# KiCad board MB1635_good_conversion.kicad_pcb (continued)
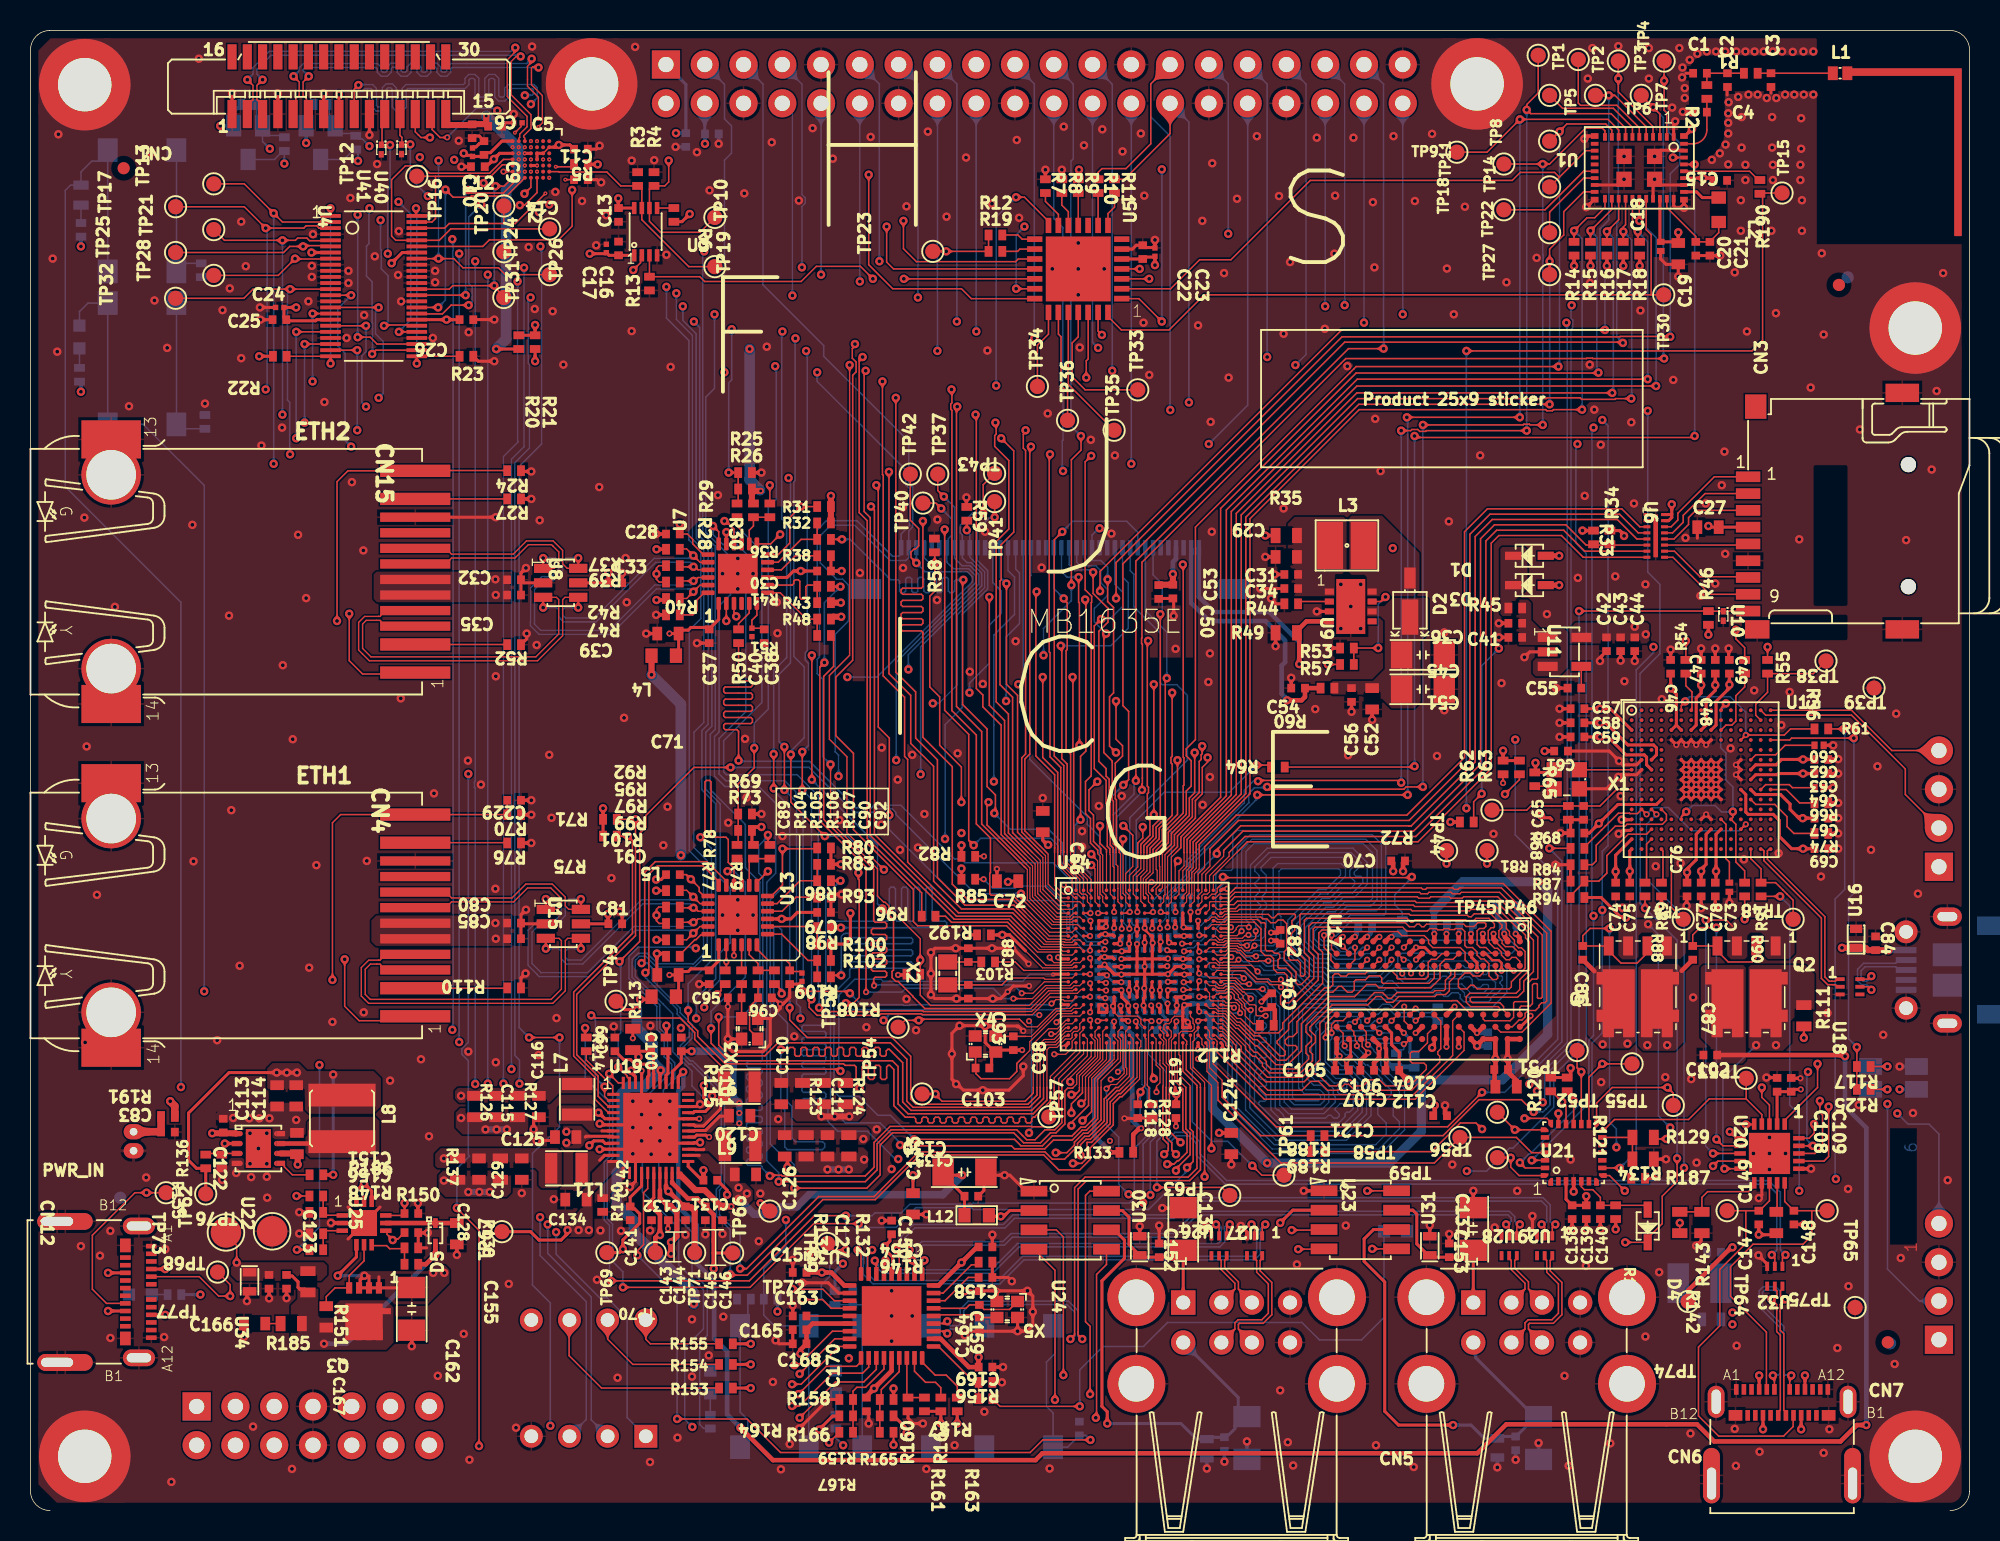
[diagram p0: board, top side]
## Routing (per net, layer and track width the routed paths; a pad name or vN(x,y) marks a point on that pad's centre or on a via; arc(x,y) is an arc through that point) (continued)
  Bottom Layer w0.1: v1(11.38,34.03) 11.38,67.19 7.37,71.19 B2.2 B2.1 3.76,79.14 3.2,78.58 LD4.2
PA14: length 153.4
  Top Layer w0.075: U14.W13 74,31.63 74,31.5 74.22,31.28 74.22,30.99 74.39,30.82 74.39,29.33 74.6,29.13 74.6,27.73
  Top Layer w0.1: v1(75.33,24.13) 74.6,24.86 74.6,27.27 74.6,27.73
  Signal Layer 2 w0.1: v1(9.85,27.75) 28.3,27.75 29.55,26.5 38.27,26.5 39.07,27.3 42.15,27.3 42.58,26.88 42.58,24.4 44.63,22.35 48.8,22.35 49.4,21.75 50.28,21.75 50.31,21.73 56.67,21.73 57.35,22.4 67.7,22.4 67.77,22.33 68.95,22.33 70.45,23.83 70.98,23.83 71.05,23.9 75.04,23.9 75.27,24.13 v1(75.33,24.13)
  Bottom Layer w0.1: 5.05,89.04 4.45,88.44 4.01,88.44 3.3,87.73 LD3.2 2.62,86.86 2.27,86.52 2.27,67.1 9.85,59.53 v1(9.85,27.75) ; 5.05,89.04 B1.2 ; 5.05,89.04 B1.1
PF8_WKUP: length 52.5
  Top Layer w0.075: 65.17,39.85 66.88,38.15 U14.F1
  Top Layer w0.1: 65.17,39.85 64.87,40.15 v1(64.87,40.43) ; v1(38.57,35.98) 39.9,37.3 39.9,44.38 40.3,44.78 40.3,45.55 43.45,48.7 v1(45.85,48.7) ; U19.43 39.23,28.34 39.21,28.35 39.15,28.35 39.08,28.42 39.08,28.49 v1(38.49,29.08)
  Bottom Layer w0.1: v1(45.85,48.7) 51,48.7 53.95,45.75 55.22,45.75 55.48,46 56.43,46 56.68,45.75 56.68,45.63 61.88,40.43 v1(64.88,40.43) ; v1(38.49,29.08) 38.49,31.14 38.65,31.3 38.65,35.9 v1(38.57,35.98)
PH4: length 12.4
  Top Layer w0.075: 78.05,27.73 78.05,28.2 77.23,29.03 77.23,30.75 76.99,30.99 76.99,31.14 U14.Y19
  Top Layer w0.1: 78.05,27.73 78.05,27.1 80.58,24.57 R188.2 R189.2
PMIC_WAKEUP: length 47.1
  Top Layer w0.09: U14.M3 v2(69.4,35.15) 69.43,35.15 ; U19.2 37.87,26.88 37.6,27.14 v1(37.6,27.78)
  Top Layer w0.1: v1(53.05,28.8) 52.92,28.93 45.45,28.93 43.5,30.88 43.5,31.33 42.55,32.28 37.01,32.28 36.83,32.45 v1(36.73,32.45)
  Bottom Layer w0.09: v2(69.4,35.15) 65.45,35.15 64.99,34.68 55.84,34.68 55.7,34.82 54,34.82 52.95,33.78 52.95,33.73
  Bottom Layer w0.1: v1(53.05,28.8) 52.96,28.89 52.96,29.07 52.95,29.08 52.95,33.73 ; v1(36.73,32.45) 37,32.18 37,28.38 v1(37.6,27.78)
PRTPWR1: length 40.6
  Top Layer w0.1: v1(49.9,14.53) 49.92,14.5 51.9,14.5 52.65,13.75 U33.12 ; v1(82.6,18.38) 84.67,18.38 84.72,18.43 U23.3
  Signal Layer 2 w0.1: v1(49.9,14.53) 49.97,14.45 52.4,14.45 53.45,15.5 66.18,15.5 68.88,18.2 76.78,18.2 76.8,18.18 82.33,18.18 82.53,18.38 v1(82.6,18.38)
PRTPWR2: length 42.4
  Top Layer w0.1: U33.16 52.52,11.75 50.3,9.53 v1(50.02,9.53) ; v1(83.03,17.13) 84.7,17.13 84.72,17.15 U23.4
  Signal Layer 2 w0.1: v1(83.03,17.13) 69.37,17.13 69.35,17.15 65.7,13.5 64.92,13.5 60.95,9.53 v1(50.02,9.53)
PRTPWR3: length 34
  Top Layer w0.1: U33.18 52.95,10.75 50.47,8.28 v1(49.87,8.28) ; v1(67.65,8.88) 67.65,17.93 67.19,18.39 U24.3
  Signal Layer 2 w0.1: v1(49.87,8.28) 50.42,8.28 51.02,8.88 v1(67.65,8.88)
PRTPWR4: length 34.5
  Top Layer w0.1: v1(49.87,6.85) 50.38,6.85 52.53,9 54.5,9 54.9,9.4 U33.20 ; v1(67.1,7.25) 67.1,15.75 U24.4
  Signal Layer 2 w0.1: v1(49.87,6.85) 50.37,6.85 50.77,7.25 v1(67.1,7.25)
PWR_LP: length 15
  Top Layer w0.09: 76.55,32.15 U14.V19
  Top Layer w0.1: v1(80.02,22.6) 80.65,21.98 TP61.1 82.48,21.98
  Bottom Layer w0.09: 76.1,27.73 76.1,30.7 76.48,31.08 v2(76.48,32.08)
  Bottom Layer w0.1: v1(80.02,22.6) 78.43,24.19 77.38,24.19 76.1,25.47 76.1,27.73
PWR_NJTRST: length 17.5
  Top Layer w0.1: v1(73.77,21.18) 78.02,21.18 TP63.1 78.55,20.3 ; U14.V11 73.4,32.15
  Bottom Layer w0.09: v2(73.43,32.08) 73.23,31.88 73.23,29.9 74.37,28.75 74.37,27.73
  Bottom Layer w0.1: v1(73.77,21.18) 73.77,24.2 74.37,24.8 74.37,27.73
PWR_ON: length 68.4
  Top Layer w0.075: U14.U17 75.97,32.38 76.14,32.21 76.14,31.94 76.22,31.86 76.22,31.55 76.08,31.4 75.38,31.4 75.22,31.25 75.22,29.88 75.28,29.82 75.28,28.52 75.95,27.85 75.95,27.73
  Top Layer w0.1: U19.44 38.5,28.03 v1(37.9,28.63) ; v1(38.8,14.63) 47.12,14.63 51.3,18.8 v1(54.25,18.8) ; v1(75.75,22.48) 76.15,22.88 76.15,24.82 75.95,25.02 75.95,27.73
  Bottom Layer w0.1: v1(75.75,22.48) 75.75,22.25 73.22,19.73 61.75,19.73 61.62,19.85 58,19.85 56.7,18.55 54.5,18.55 v1(54.25,18.8) ; 38.12,23.12 37.77,22.77 37.77,19.12 38.12,18.77 38.12,16.33 38.8,15.65 v1(38.8,14.63) ; 38.12,23.12 38.12,23.16 ; 38.12,23.12 38.12,23.4 ; 38.12,23.4 38.12,27.85 37.93,28.05 37.93,28.6 v1(37.9,28.63) ; 38.12,23.4 38.12,23.58
PWR_ON_DB: length 135.7
  Top Layer w0.2: v1(42.75,28.75) 42.42,28.43 U19.35
  Top Layer w0.3: v1(118.85,29.78) 118.78,29.78 118.71,29.85 C102.2 ; v1(120.24,5.6) 119.63,5.6 118.55,4.53 110.28,4.53 109.15,5.65 96.66,5.65 94.76,3.75 66.27,3.75 65.83,3.3 48.62,3.3 v1(46.5,5.43)
  Bottom Layer w0.3: v1(42.75,28.75) 42.75,27.8 42.42,27.48 42.42,19.93 43.62,18.73 43.62,16.2 44.77,15.05 44.77,11.28 45.63,10.43 45.63,6.3 v1(46.5,5.43) ; v1(118.85,29.78) 118.85,26.48 120.24,25.08 v1(120.24,5.6)
RD1_N: length 34
  Top Layer w0.09: U13.22 43.73,38.78 43.5,38.55 v1(43.42,38.55) 42.6,38.55 R97.1 ; CN4.8 27.19,40.53 27.58,40.15 31.53,40.15 32.45,41.06 34.17,41.06 35.02,40.2 35.02,39.63 35.25,39.4 U15.6 v1(36.05,40.08)
  Bottom Layer w0.09: v1(36.05,40.08) 35.28,40.08 35.02,39.83 35.02,39.22 35.03,39.21 35.03,38.99 34.44,38.4 33.34,38.4 32.86,37.93 32.85,37.93 32.85,35.84 33.43,35.26 33.43,35.25 36.49,35.25 39.44,38.21 39.46,38.21 39.53,38.28 43.23,38.28 43.42,38.48 v1(43.42,38.55)
RD1_P: length 34.1
  Top Layer w0.09: CN4.7 27.19,39.51 27.57,39.89 31.64,39.89 32.55,40.8 34.07,40.8 34.77,40.1 34.77,39.63 34.55,39.4 U15.1 v1(33.75,40.08) ; U13.23 43.85,38.28 v1(43.41,37.84) 42.98,37.4 R99.1
  Bottom Layer w0.09: v1(33.75,40.08) 34.52,40.08 34.77,39.84 34.77,39.11 34.77,39.1 34.33,38.66 33.23,38.66 32.76,38.19 32.74,38.19 32.59,38.03 32.59,35.73 33.17,35.16 33.17,35.14 33.32,34.99 36.59,34.99 39.55,37.95 39.57,37.95 39.64,38.02 43.23,38.02 v1(43.41,37.84)
RD2_N: length 33.5
  Top Layer w0.09: v1(35.88,62.43) U8.6 35.15,61.75 34.85,62.05 34.85,62.93 34.23,63.55 32.49,63.55 31.62,62.69 27.56,62.69 27.45,62.8 27.45,62.8 27.19,63.06 CN15.8 ; R40.1 42.6,60.93 v1(43.42,60.93) 43.5,60.93 43.72,61.15 U7.22
  Bottom Layer w0.09: v1(35.88,62.43) 35.07,62.43 34.86,62.21 34.86,61.58 34.39,61.11 34.39,61.09 34.23,60.94 33.61,60.94 33.6,60.95 33.01,60.36 33.01,58.11 33,58.1 33.41,57.69 37.89,57.69 37.9,57.68 40.88,60.66 43.23,60.66 43.42,60.85 v1(43.42,60.93)
RD2_P: length 33.6
  Top Layer w0.09: R42.1 42.97,59.78 v1(43.41,60.21) 43.85,60.65 U7.23 ; CN15.7 27.19,62.04 27.45,62.3 27.45,62.31 27.58,62.43 31.73,62.43 32.6,63.3 34.13,63.3 34.6,62.83 34.6,62.05 34.3,61.75 U8.1 v1(33.57,62.43)
  Bottom Layer w0.09: v1(43.41,60.21) 43.23,60.4 40.99,60.4 38.01,57.42 37.79,57.42 37.78,57.43 33.31,57.43 32.74,57.99 32.74,58.21 32.75,58.22 32.75,60.47 33.49,61.21 33.71,61.21 33.72,61.2 34.13,61.2 34.13,61.21 34.6,61.69 34.6,62.2 34.38,62.43 v1(33.57,62.43)
SDMMC1_CK: length 48.9
  Top Layer w0.075: U14.A19 76.97,41.7 78.15,42.88 78.15,43.13
  Top Layer w0.1: 78.15,43.13 78.15,43.26 79.41,44.53 90.59,44.53 94.98,48.91 94.98,63.69 95.89,64.6 100.56,64.6 101.89,63.28 U6.6
SDMMC1_CMD: length 51.8
  Top Layer w0.09: v1(77.7,43.05) 77.7,43.13
  Top Layer w0.1: 90.44,44.88 94.63,49.06 94.63,63.83 95.74,64.95 103.94,64.95 105.21,63.68 U6.5 ; 90.44,44.88 90.28,44.88 ; 90.44,44.88 90.27,44.88 ; v2(76.48,39.23) 76.88,39.63 76.95,39.63 U14.C19 76.97,39.64 ; 90.28,44.88 79.27,44.88 77.7,43.31 77.7,43.13
  Bottom Layer w0.09: v1(77.7,43.05) 76.48,41.83 v2(76.48,39.23)
SDMMC1_D0: length 49.8
  Top Layer w0.075: U14.C18 76.72,39.9 76.72,40.28 76.85,40.4 77.08,40.4 77.23,40.55 77.23,41.6 78.51,42.88 78.51,43.13
  Top Layer w0.1: 78.51,43.13 79.56,44.18 90.73,44.18 95.33,48.77 95.33,63.54 96.03,64.25 100.42,64.25 101.79,62.88 U6.7
SDMMC1_D1: length 47.8
  Top Layer w0.075: U14.A20 77.47,41.6 79,43.13
  Top Layer w0.1: U6.8 101.7,62.48 100.28,63.9 96.18,63.9 95.67,63.4 95.67,48.63 90.87,43.83 79.7,43.83 79,43.13
SDMMC1_D2: length 50.3
  Top Layer w0.075: 76.9,43.13 76.9,42.14 76.47,41.72 U14.A18
  Top Layer w0.1: U6.3 105.4,64.48 104.23,65.65 95.42,65.65 93.93,64.15 93.93,49.35 90.15,45.57 78.98,45.57 76.9,43.5 76.9,43.13
SDMMC1_D3: length 50.4
  Top Layer w0.075: U14.B18 76.47,40.3 76.72,40.55 76.72,41.7 77.25,42.23 77.25,43.13
  Top Layer w0.1: U6.4 105.31,64.08 104.08,65.3 95.6,65.3 94.28,63.98 94.28,49.2 90.3,45.22 79.12,45.22 77.25,43.35 77.25,43.13
SDMMC2_CK: length 65.9
  Top Layer w0.075: 76.35,43.13 76.35,42.09 76.06,41.8 76.06,40.38 75.99,40.31 75.99,40.16 U14.B17
  Top Layer w0.1: U1.20 101.73,86.43 100.42,85.13 100.42,83.6 99.5,82.68 v1(99.5,81.88) TP27.1 ; 76.35,43.13 76.35,43.73 79.6,46.98 79.6,65.1 87,72.5 v1(99.5,72.5)
  Bottom Layer w0.1: v1(99.5,72.5) v1(99.5,81.88)
SDMMC2_CMD: length 67.6
  Top Layer w0.075: 76.55,43.13 76.55,42.05 76.23,41.73 76.23,39.93 75.97,39.68 U14.C17
  Top Layer w0.1: U1.22 103.12,85.4 102.45,84.73 101.95,84.73 v1(101.1,83.88) R14.2 ; 76.55,43.13 76.55,43.65 79.88,46.98 79.88,65 87.02,72.15 99.25,72.15 99.32,72.08 99.68,72.08 99.75,72.15 v1(101.63,72.15)
  Bottom Layer w0.1: v1(101.62,72.15) 101.62,83.35 v1(101.1,83.88)
SDMMC2_D0: length 68.5
  Top Layer w0.075: 75.95,43.13 75.95,42.17 75.72,41.94 75.72,40.52 75.5,40.3 75.5,40.17 U14.B16
  Top Layer w0.1: U1.24 104.03,84.6 v1(103.25,83.83) R16.2 ; 75.95,43.13 75.95,43.9 78.97,46.93 78.97,65.35 86.88,73.25 v1(103.6,73.25)
  Bottom Layer w0.1: v1(103.25,83.83) 103.68,83.4 103.68,73.33 v1(103.6,73.25)
SDMMC2_D1: length 71
  Top Layer w0.075: 75.55,43.13 75.56,43.12 75.56,42.25 75.22,41.92 75.22,40.4 U14.B15
  Top Layer w0.1: R18.2 105.27,83.28 v1(105.27,83.83) 105.25,83.83 104.93,84.15 U1.26 ; v1(105.92,74.15) 86.9,74.15 78.33,65.58 78.33,46.84 75.55,44.07 75.55,43.13
  Bottom Layer w0.1: v1(105.92,74.15) 105.92,83.15 105.27,83.8 v1(105.27,83.83)
SDMMC2_D2: length 68.8
  Top Layer w0.075: 75.04,43.13 74.73,42.82 74.73,39.9 U14.C14
  Top Layer w0.1: 75.04,43.13 75.35,43.44 75.35,44.15 77.95,46.75 77.95,65.68 86.83,74.55 102.68,74.55 v1(102.7,74.58) ; R15.2 v1(102.17,83.88) 103.58,85.28 U1.23
  Bottom Layer w0.1: v1(102.17,83.88) 102.6,83.45 102.6,74.8 102.7,74.7 v1(102.7,74.58)
SDMMC2_D3: length 70.1
  Top Layer w0.075: 76.15,43.13 76.15,42.13 75.89,41.87 75.89,40.45 75.72,40.28 75.72,39.9 U14.C16
  Top Layer w0.1: 76.15,43.13 76.15,43.82 79.3,46.97 79.3,65.25 86.92,72.88 99.27,72.88 99.32,72.93 101.5,72.93 101.6,72.83 103.78,72.83 103.83,72.88 v1(104.85,72.88) ; R17.2 v1(104.33,83.83) 104.33,84.13 104.47,84.28 U1.25
  Bottom Layer w0.1: v1(104.33,83.83) 104.88,83.28 104.88,72.9 v1(104.85,72.88)
SNK_GDCG: length 23.8
  Top Layer w0.1: v1(110.43,24.33) 110.85,23.9 U20.7 ; v1(110.43,38.2) 109.35,38.2 108.88,37.73 C87.1 Q2.4 110.49,36.66 111.2,35.95 112.78,35.95 113.03,36.21 Q2.2
  Bottom Layer w0.1: v1(110.43,24.33) v1(110.43,38.2)
SNK_GDCS: length 19.2
  Top Layer w0.1: 111.48,38.3 111.08,38.7 v1(109.72,38.7) ; v1(110.2,23.4) U20.8
  Bottom Layer w0.1: v1(109.72,38.7) 109.72,23.88 v1(110.2,23.4)
SRC_GDCG: length 32.5
  Top Layer w0.1: v1(112.35,25.3) 112.87,25.3 U20.5 ; v1(103.42,38.15) 102.15,38.15 101.67,37.68 C86.1 Q1.4 103.37,36.68 104.17,35.88 105.23,35.88 105.91,36.56 Q1.2
  Signal Layer 2 w0.1: v1(112.35,25.3) 112.35,25.18 112.21,25.04 112.21,25.04 111.05,23.88 103.95,23.88 v1(103.88,23.8)
  Bottom Layer w0.1: v1(103.88,23.8) 103.88,25 103.42,25.45 v1(103.42,38.15)
SRC_GDCS: length 18.8
  Top Layer w0.1: U20.6 111.72,24.4 v1(111.3,24.83)
  Signal Layer 2 w0.1: v1(111.3,24.83) 107.68,24.83 v1(107.4,25.1)
  Bottom Layer w0.1: v1(105.95,38.43) 106.63,37.75 106.63,25.88 v1(107.4,25.1)
STLINK_SWCLK: length 52.7
  Top Layer w0.075: v2(67.05,29.9) 67.8,29.9 68.23,30.33 68.23,30.76 68.48,31.01 U14.Y2
  Top Layer w0.1: v1(112.27,38.75) R90.2
  Signal Layer 2 w0.1: v1(112.27,38.75) 107.2,33.68 86.28,33.68 83.78,31.18 76.52,31.18 75.25,29.9 v2(67.05,29.9)
STLINK_SWDIO: length 47.3
  Top Layer w0.075: U14.Y12 73.72,30.9 73.72,29.19 73.98,28.94 73.98,28.03 73.75,27.8 73.75,27.73
  Top Layer w0.1: v2(73.75,27.43) 73.75,27.73 ; v1(99.47,43.4) R81.2
  Signal Layer 2 w0.1: v2(73.75,27.43) 73.77,27.43 74.35,26.85 91.67,26.85 91.8,26.98 92.83,26.98 92.93,26.88 97.1,26.88 v1(98.17,27.95)
  Bottom Layer w0.1: v1(99.47,43.4) 100.3,42.58 100.3,30.73 98.17,28.6 v1(98.17,27.95)
STLINK_SWO: length 81.2
  Top Layer w0.075: 76.21,28.99 77.35,27.85 77.35,27.73 ; U14.W18 76.44,31.62 76.44,31.52 76.22,31.3 76.22,30.83 76.14,30.74 76.14,29.06 76.21,28.99
  Top Layer w0.1: R61.2 v1(118.77,51.23) ; v1(77.35,23.73) 77.35,27.73
  Signal Layer 2 w0.1: v1(77.35,23.73) 95.08,23.73 97.23,21.58 117.98,21.58 118.13,21.73 v1(118.25,21.73)
  Bottom Layer w0.1: v1(118.25,21.73) 118.2,21.78 118.2,40.08 118.83,40.7 118.83,51.18 v1(118.77,51.23)
STLK_LED: length 28.9
  Top Layer w0.1: v1(119.62,30.38) R117.2 R125.2 ; U12.D15 115.23,50.5 115.35,50.63 v1(119.42,50.63)
  Bottom Layer w0.1: v1(119.42,50.63) 119.42,40.45 119.08,40.1 119.08,30.93 v1(119.62,30.38)
STLK_RST: length 9.7
  Top Layer w0.1: U12.J1 103.88,47.25 102.8,46.18 C65.2 R68.1 98.27,46.18 98,45.9 TP44.1
STLK_SWCLK: length 15.9
  Top Layer w0.1: U12.A14 113.65,52.13 119.28,52.13 122.8,48.6 122.8,46.93 CN9.2
STLK_SWDIO: length 12.1
  Top Layer w0.1: U12.A15 119.27,52.45 121.92,49.81 CN9.4
STLK_VCP2_RX: length 34.3
  Top Layer w0.1: U21.8 103.42,21.95 v1(104.42,20.95) ; R91.1 v1(114.6,40.25)
  Signal Layer 2 w0.1: v1(104.42,20.95) v1(115.85,20.95)
  Bottom Layer w0.1: v1(114.6,40.25) 115.23,39.63 115.23,26.58 115.85,25.95 v1(115.85,20.95)
STLK_VCP2_TX: length 46.3
  Top Layer w0.1: R187.1 104.85,21.87 104.64,22.08 104.47,22.08 v1(104.1,22.45) U21.9 ; R56.1 v1(113.78,56.6)
  Signal Layer 2 w0.1: v1(113.77,56.6) 112.95,55.78 107.12,55.78 v1(106.3,56.6)
  Bottom Layer w0.1: v1(106.3,56.6) 106.3,56.23 105.18,55.1 105.18,23.53 v1(104.1,22.45)
STM32G0_I2C2_SCL: length 23.3
  Top Layer w0.1: R121.2 100.72,27.48 101.08,27.13 v1(101.08,26.85) U21.18 ; v1(117.2,26.85) 117.2,26.1 117.37,25.93 117.37,23.9 116.87,23.4 U20.18
  Signal Layer 2 w0.1: v1(101.08,26.85) v1(117.2,26.85)
STM32G0_I2C2_SDA: length 25.6
  Top Layer w0.1: U20.17 117.48,22.9 117.78,23.2 v1(117.78,26.48) ; R120.1 99.62,27.48 v1(100.33,26.78) 100.58,26.53 U21.19
  Signal Layer 2 w0.1: v1(117.78,26.48) 117.7,26.4 100.7,26.4 v1(100.33,26.78)
STM32G0_INTN: length 51
  Top Layer w0.09: v2(70.44,34.58) 70.4,34.62 70,34.62 U14.N5
  Top Layer w0.1: TP59.1 v1(96.95,23.13) 96.95,22.5 97.5,21.95 U21.28
  Signal Layer 2 w0.09: v2(65.4,32.08) 65.4,33 66.6,34.2 69.62,34.2 70,34.58 v2(70.44,34.58)
  Signal Layer 2 w0.1: v1(96.95,23.13) 95.77,24.3 76.52,24.3 76.08,24.75 75.42,24.75 75.28,24.61 74.58,24.61 74.3,24.33 71.58,24.33 71.16,24.75 v1(65.4,24.75)
  Bottom Layer w0.09: v2(65.4,32.08) 65.4,32.03 65.57,31.86 65.57,27.73
  Bottom Layer w0.1: 65.57,27.73 65.57,25.04 65.4,24.87 v1(65.4,24.75)
STM32G0_SWCLK: length 41.6
  Top Layer w0.1: U21.21 99.33,25.7 v1(97.85,25.7)
  Signal Layer 2 w0.1: v1(97.85,25.7) 98.65,25.7 99.9,26.95 99.9,26.95 100.22,27.28 115.78,27.28 115.81,27.25 116.09,27.25 116.12,27.28 121,27.28 v1(121.63,26.65)
  Bottom Layer w0.1: CN13.2 123.72,13.73 121.63,15.83 v1(121.63,26.65)
STM32G0_SWDIO: length 32.1
  Top Layer w0.1: U21.20 v1(100.08,26.03)
  Signal Layer 2 w0.1: v1(100.08,26.03) v1(122.27,26.03)
  Bottom Layer w0.1: v1(122.27,26.03) 122.97,25.33 124.35,25.33 125,24.68 CN13.4
STM32G0_WAKE: length 28.3
  Top Layer w0.075: U14.AA19 76.97,30.61 77.06,30.53 77.06,28.77 77.77,28.05 77.77,27.73
  Top Layer w0.1: U21.25 98.33,23.45 97.33,24.45 TP58.1 91.95,22.77 81.9,22.77 77.77,26.9 77.77,27.73
STMIPI_ERROR: length 61.5
  Top Layer w0.1: v1(17.85,82.85) 17.9,82.9 19.6,82.9 U4.6 ; 17.97,82.85 16.98,82.85 16.57,82.45 TP25.1 ; U5.18 56.52,81.38 56.08,81.83 v1(56.08,84.15)
  Signal Layer 2 w0.1: v1(56.08,84.15) 26.45,84.15 25.15,82.85 18.6,82.85 18.58,82.88 17.88,82.88 v1(17.85,82.85)
STMIPI_INT: length 60.5
  Top Layer w0.1: v1(57.17,84.53) 57.17,82.7 58.03,81.85 64.53,81.85 64.7,82.03 U5.17 ; U4.8 19.63,82.03 17.35,82.03 v1(17.33,82.05) 16.23,80.95 TP28.1
  Signal Layer 2 w0.1: v1(17.33,82.05) 17.33,83 17.6,83.28 18.27,83.28 18.32,83.23 25.05,83.23 26.3,84.48 55.8,84.48 55.9,84.58 57.12,84.58 v1(57.17,84.53)
T_JTDI: length 50.5
  Top Layer w0.1: R189.1 91.77,23.52 93.65,25.4 94.68,25.4 v1(95.08,25) ; U12.L3 v2(106.5,45.63)
  Signal Layer 2 w0.1: v1(108.3,22.45) 106.82,22.45 106.2,23.08 101.77,23.08 100.71,24.14 97.11,24.14 96.25,25 v1(95.08,25)
  Bottom Layer w0.1: v1(108.3,22.45) 108.3,38.92 105.85,41.38 105.85,44.98 v2(106.5,45.63)
T_NRST: length 3
  Top Layer w0.1: U12.P3 105.85,43.68 105.85,41.25 R88.1
T_PWR_EN: length 4.9
  Top Layer w0.1: TP47.1 107.47,39.53 U12.R5
T_PWR_EXT: length 2.3
  Top Layer w0.1: R89.2 106.92,41.25 106.92,43.22 106.83,43.32 U12.R4
T_SWCLK: length 17.3
  Top Layer w0.1: U12.A10 110.75,52.48 110.75,52.6 v1(111.05,52.9) ; R90.1 112.27,41.93 111.7,42.5 111.7,44.98 U12.M11 111.5,45.43 v1(111.5,45.8) ; v1(108.45,45.8) 108.13,45.48 108.13,45.31 U12.M6
  Bottom Layer w0.1: v1(108.45,45.8) 108.85,46.2 110.35,46.2 110.76,45.79 111.09,45.79 111.1,45.8 v1(111.5,45.8) 111.5,47.43 111.05,47.88 111.05,49.65 110.7,50 110.7,52.43 111.05,52.78 v1(111.05,52.9)
T_SWDIO: length 13.3
  Top Layer w0.1: U12.N12 v2(112.35,44.98) ; R81.1 101.77,43.48 102.9,44.6 103.15,44.85 104,45.7 104.74,45.7 104.76,45.68 105.25,45.68 U12.L2 v2(105.85,45.63)
  Bottom Layer w0.1: v2(105.85,45.63) 106.3,46.07 107.28,46.07 108.8,44.55 111.92,44.55 v2(112.35,44.98)
T_SWO: length 11.8
  Top Layer w0.1: v1(108.37,53.03) 108.37,53.01 108.12,52.76 U12.A6 ; U12.D12 v2(112.35,50.83) 114.88,50.83 115.28,51.23 R61.1
  Bottom Layer w0.1: v2(112.35,50.83) 112.35,52.32 111.34,53.34 108.69,53.34 v1(108.38,53.03)
TAMP_BTN: length 56.5
  Top Layer w0.09: U14.U10 72.47,32.92 72.4,32.99 v2(72.4,33.08)
  Signal Layer 2 w0.1: v1(73.35,20.68) 72.8,21.23 71.63,21.23 71.08,20.68 51.1,20.68 v1(49.48,19.05)
  Bottom Layer w0.09: 73.7,26.53 73.33,26.9 73.33,27.68 73,28.01 73,32.01 72.4,32.61 v2(72.4,33.08)
  Bottom Layer w0.1: v1(49.48,19.05) 49.48,17.28 48.03,15.83 R181.1 48.03,12.8 48.72,12.1 B4.2 50.97,4.4 ; 73.7,26.53 73.92,26.3 73.92,24.73 73.35,24.15 v1(73.35,20.68)
TD1_N: length 38.6
  Top Layer w0.09: v1(36.05,36.83) U15.4 35.18,37.5 35.03,37.35 35.03,34.06 34.21,33.24 22.14,33.24 21.67,33.72 21.67,35.58 22.15,36.07 22.89,36.07 22.94,36.12 22.94,36.19 23.2,36.45 CN4.4 ; U13.20 43.85,39.78 v1(43.41,40.21) 42.98,40.65 42.52,40.65
  Bottom Layer w0.09: v1(43.41,40.21) 43.23,40.03 40.01,40.03 36.06,36.08 35.2,36.08 35.2,36.09 35.02,36.26 35.02,36.65 35.2,36.83 v1(36.05,36.83)
TD1_P: length 37.6
  Top Layer w0.09: U13.21 43.73,39.28 43.5,39.5 v1(43.42,39.5) 42.6,39.5 42.52,39.58 ; CN4.3 23.2,35.43 22.94,35.69 22.94,35.76 22.89,35.81 22.26,35.81 21.93,35.48 21.93,33.82 22.25,33.5 34.1,33.5 34.77,34.17 34.77,37.35 34.62,37.5 U15.3 v1(33.75,36.83)
  Bottom Layer w0.09: v1(33.75,36.83) 34.6,36.83 34.77,36.66 34.77,36.16 34.94,35.98 34.94,35.97 35.09,35.82 36.17,35.82 40.12,39.77 43.23,39.77 43.42,39.58 v1(43.42,39.5)
TD2_N: length 38.3
  Top Layer w0.09: U7.20 43.85,62.15 v1(43.41,62.59) 42.97,63.03 42.52,63.03 ; CN15.4 23.2,58.98 22.94,58.72 22.94,58.65 22.89,58.6 21.88,58.6 21.49,58.21 21.49,56.39 22.19,55.69 33.21,55.69 34.85,57.34 34.85,59.7 35,59.85 U8.4 v1(35.88,59.18)
  Bottom Layer w0.09: v1(43.41,62.59) 43.23,62.4 40.84,62.4 36.94,58.5 35.03,58.5 35.03,58.51 34.85,58.69 34.85,59.03 35,59.18 v1(35.88,59.18)
TD2_P: length 37.3
  Top Layer w0.09: 42.52,61.95 42.63,61.85 v1(43.42,61.85) 43.53,61.85 43.72,61.65 U7.21 ; v1(33.57,59.18) U8.3 34.45,59.85 34.59,59.7 34.59,57.45 33.1,55.95 22.3,55.95 21.75,56.5 21.75,58.1 21.99,58.34 22.89,58.34 22.94,58.29 22.94,58.22 23.2,57.96 CN15.3
  Bottom Layer w0.09: v1(43.42,61.85) 43.42,61.95 43.23,62.14 40.95,62.14 37.04,58.24 34.92,58.24 34.77,58.39 34.77,58.41 34.59,58.58 34.59,59.04 34.45,59.18 v1(33.57,59.18)
UART4_RX: length 57.2
  Top Layer w0.075: U14.B5 69.97,40.19 69.89,40.27 69.89,42.58 69.48,43 v1(69.48,43.03)
  Top Layer w0.1: v1(95.05,46.98) 94.52,46.45 R72.1 ; R54.2 v1(108.42,57)
  Signal Layer 2 w0.09: 71.37,43.13 71.27,43.03 v1(69.48,43.03)
  Signal Layer 2 w0.1: v1(108.42,57) 108.37,57 108.14,57.23 106.22,57.23 105.94,56.95 104.27,56.95 103.83,56.5 v1(96.18,56.5) ; v1(95.05,46.98) 93.45,46.98 92.95,46.48 79.74,46.48 79.39,46.83 73.9,46.83 72.3,45.23 72.3,44.05 71.37,43.13
  Bottom Layer w0.1: v1(96.18,56.5) 95.05,55.38 v1(95.05,46.98)
UART4_TX: length 76.7
  Top Layer w0.075: U14.D2 68.33,39.15 68.08,38.9 67.22,38.9 65.8,40.33 65.8,42.37 65.17,42.99
  Top Layer w0.1: R55.2 112.27,56.55 111.7,57.13 v1(111.7,57.73) ; 65.17,42.99 63.8,44.37 63.8,51.78 62.8,52.78 v1(62.8,59.88)
  Signal Layer 2 w0.1: v1(62.8,59.88) 64.87,59.88 65.47,59.28 82.2,59.28 82.8,59.88 87.65,59.88 88.15,59.38 110.05,59.38 v1(111.7,57.73)
USART2_CTS: length 87.1
  Top Layer w0.075: 67.08,43.13 67.08,40.98 67.65,40.4 68.13,40.4 68.35,40.18 68.45,40.18 U14.B2
  Top Layer w0.1: v1(103.12,77.38) 85.88,77.38 70.05,61.55 v1(70.05,60.25) ; 67.08,43.13 67.08,43.42 67.08,43.43 67.08,48.22 65.85,49.45 65.85,60.18 v1(65.9,60.23) ; TP6.1 v1(103.37,92.75) 103.78,92.75 105.83,90.7 U1.5
  Signal Layer 2 w0.1: v1(65.9,60.23) 69.98,60.23
  Bottom Layer w0.1: v1(103.37,92.75) 103.37,84.58 102.8,84 102.8,81.08 103.13,80.75 v1(103.13,77.38)
USART2_RTS: length 86.4
  Top Layer w0.09: 70.98,39.15 v2(70.98,39.23) U14.C7
  Top Layer w0.1: U1.4 106.28,90.7 104,92.98 TP3.1 ; v1(71.58,47.55) 71.93,47.9 71.93,52.38 71.55,52.75 71.55,62.05 86.08,76.58 104.25,76.58 v1(104.3,76.53)
  Bottom Layer w0.09: v2(70.98,39.23) 70.98,43.13
  Bottom Layer w0.1: v1(104,93.85) 104,88.98 103.95,88.93 103.95,88.57 104,88.52 104,87.48 103.95,87.43 103.95,87.07 104,87.02 104,84.45 103.9,84.35 103.9,76.93 v1(104.3,76.53) ; v1(71.58,47.55) 70.73,46.7 70.73,43.55 70.98,43.3 70.98,43.13
USART2_RX: length 85.5
  Top Layer w0.09: v2(71.98,38.13) U14.E9
  Top Layer w0.1: v1(107,75.5) 102.33,75.5 102.3,75.53 101.95,75.53 101.92,75.5 86.15,75.5 86.08,75.43 85.83,75.18 72.8,62.15 72.8,57.2 72.77,57.18 72.77,56.82 72.83,56.77 72.83,47.65 72.8,47.62 v1(72.8,47.23) ; U1.3 106.72,91.53 TP7.1
  Bottom Layer w0.075: v2(71.98,38.13) 71.61,38.5 71.61,39.37 71.73,39.49
  Bottom Layer w0.09: 71.73,39.49 71.73,43.13
  Bottom Layer w0.1: 71.73,43.13 71.73,43.19 71.14,43.79 71.14,45.44 72.66,46.96 72.66,46.97 72.8,47.1 v1(72.8,47.23) ; v1(106.28,91.98) 106.95,91.3 106.95,75.55 v1(107,75.5)
USART2_TX: length 91.1
  Top Layer w0.09: 69.45,39.15 v2(69.43,39.15) U14.D3
  Top Layer w0.1: v1(107.4,76.93) 107.37,76.95 104.12,76.95 104.1,76.93 85.9,76.93 71.1,62.13 71.1,62.12 v1(71.1,59.78) ; TP4.1 v1(107,93.7) 107,91.78 107.17,91.6 U1.2 ; v1(68.77,45.28) 68.77,49.43 69.13,49.78 69.13,59.67 69.05,59.75
  Signal Layer 2 w0.1: v1(71.1,59.78) 71.1,59.76 71.05,59.7 v1(69.08,59.7)
  Bottom Layer w0.09: 68.4,43.13 68.4,42.75 69.43,41.73 v2(69.43,39.15)
  Bottom Layer w0.1: 68.72,45.23 68.4,44.9 68.4,43.13 ; v1(107,93.7) 107,91.83 107.3,91.53 107.3,90.35 108.02,89.63 108.02,88.23 107.4,87.6 v1(107.4,76.93)
USB1CN25_N: length 3.9
  Top Layer w0.1: U28.5 96.85,16.53 96.93,16.45 96.93,16.45 96.99,16.39 96.99,15.79 97.89,14.89 97.89,14.52 CN6.T2
USB1CN25_P: length 3.9
  Top Layer w0.1: CN6.T3 98.12,14.52 98.12,14.99 97.22,15.89 97.22,16.39 97.27,16.45 97.28,16.45 97.35,16.53 U28.6
USB2CN25_N: length 8.3
  Top Layer w0.1: U29.5 99.18,16.53 99.25,16.45 99.31,16.39 99.31,15.61 100.08,14.85 100.08,12.93 99.65,12.5 98.09,12.5 97.89,12.29 97.89,11.9 CN6.B2
USB2CN25_P: length 8.3
  Top Layer w0.1: U29.6 99.68,16.53 99.6,16.45 99.6,16.45 99.54,16.39 99.54,15.71 100.31,14.95 100.31,12.83 99.75,12.27 98.19,12.27 98.12,12.2 98.12,11.9 CN6.B3
USB3CN26_N: length 3.9
  Top Layer w0.1: CN5.T2 78.89,14.52 78.89,14.89 77.99,15.79 77.99,16.39 77.93,16.45 77.93,16.45 77.85,16.53 U26.5
USB3CN26_P: length 3.9
  Top Layer w0.1: CN5.T3 79.11,14.52 79.11,14.99 78.22,15.89 78.22,16.39 78.27,16.45 78.27,16.45 78.35,16.53 U26.6
USB4CN26_N: length 8.3
  Top Layer w0.1: U27.5 80.17,16.53 80.25,16.45 80.31,16.39 80.31,15.61 81.08,14.85 81.08,12.93 80.65,12.5 79.09,12.5 78.89,12.29 78.89,11.9 CN5.B2
USB4CN26_P: length 8.3
  Top Layer w0.1: CN5.B3 79.11,11.9 79.11,12.2 79.19,12.27 80.75,12.27 81.31,12.83 81.31,14.95 80.54,15.71 80.54,16.39 80.6,16.45 80.6,16.45 80.67,16.53 U27.6
USB_D1_N: length 40
  Top Layer w0.09: U14.AA16 75.47,28.79 76.4,27.86 76.4,27.73 76.4,27.72
  Top Layer w0.1: v1(68.11,11.24) 68.11,11.24 68.39,11.51 68.39,21.16 69.07,21.85 75.83,21.85 76.4,22.43 76.4,27.72 ; U33.30 59.9,11.75 v1(60.05,11.6)
  Bottom Layer w0.1: v1(60.05,11.6) 60.05,11.68 60.16,11.79 60.16,11.83 60.22,11.89 60.88,11.89 61.12,12.13 61.12,13.1 61.52,13.5 67.88,13.5 68.39,12.99 68.39,11.43 68.19,11.24 v1(68.11,11.24)
USB_D1_P: length 41
  Top Layer w0.09: U14.Y16 75.49,31.13 75.49,30.99 75.73,30.76 75.73,30.54 75.7,30.51 75.7,28.88 76.62,27.95 76.62,27.73 76.63,27.72
  Top Layer w0.1: v1(60.05,12.4) 59.9,12.25 U33.31 ; 76.63,27.72 76.63,22.33 75.92,21.62 69.17,21.62 68.61,21.07 68.62,11.51 v1(68.89,11.24)
  Bottom Layer w0.1: v1(68.89,11.24) 68.81,11.24 68.62,11.43 68.62,11.61 68.61,13.09 67.98,13.73 61.42,13.73 60.89,13.19 60.89,12.22 60.78,12.12 60.22,12.12 60.16,12.17 60.16,12.21 60.05,12.32 v1(60.05,12.4)
